# Altium PCB FINAL_PCB_VER0.PcbDoc (part 2 of 4)
Units mil, origin at the board's own origin, x right, y up, seen from the top; angles counter-clockwise.
Board outline 5316 x 3950 mil, 2 copper layers (Top Layer, Bottom Layer); 360 components, 279 nets, 1195 pads, 726 vias.
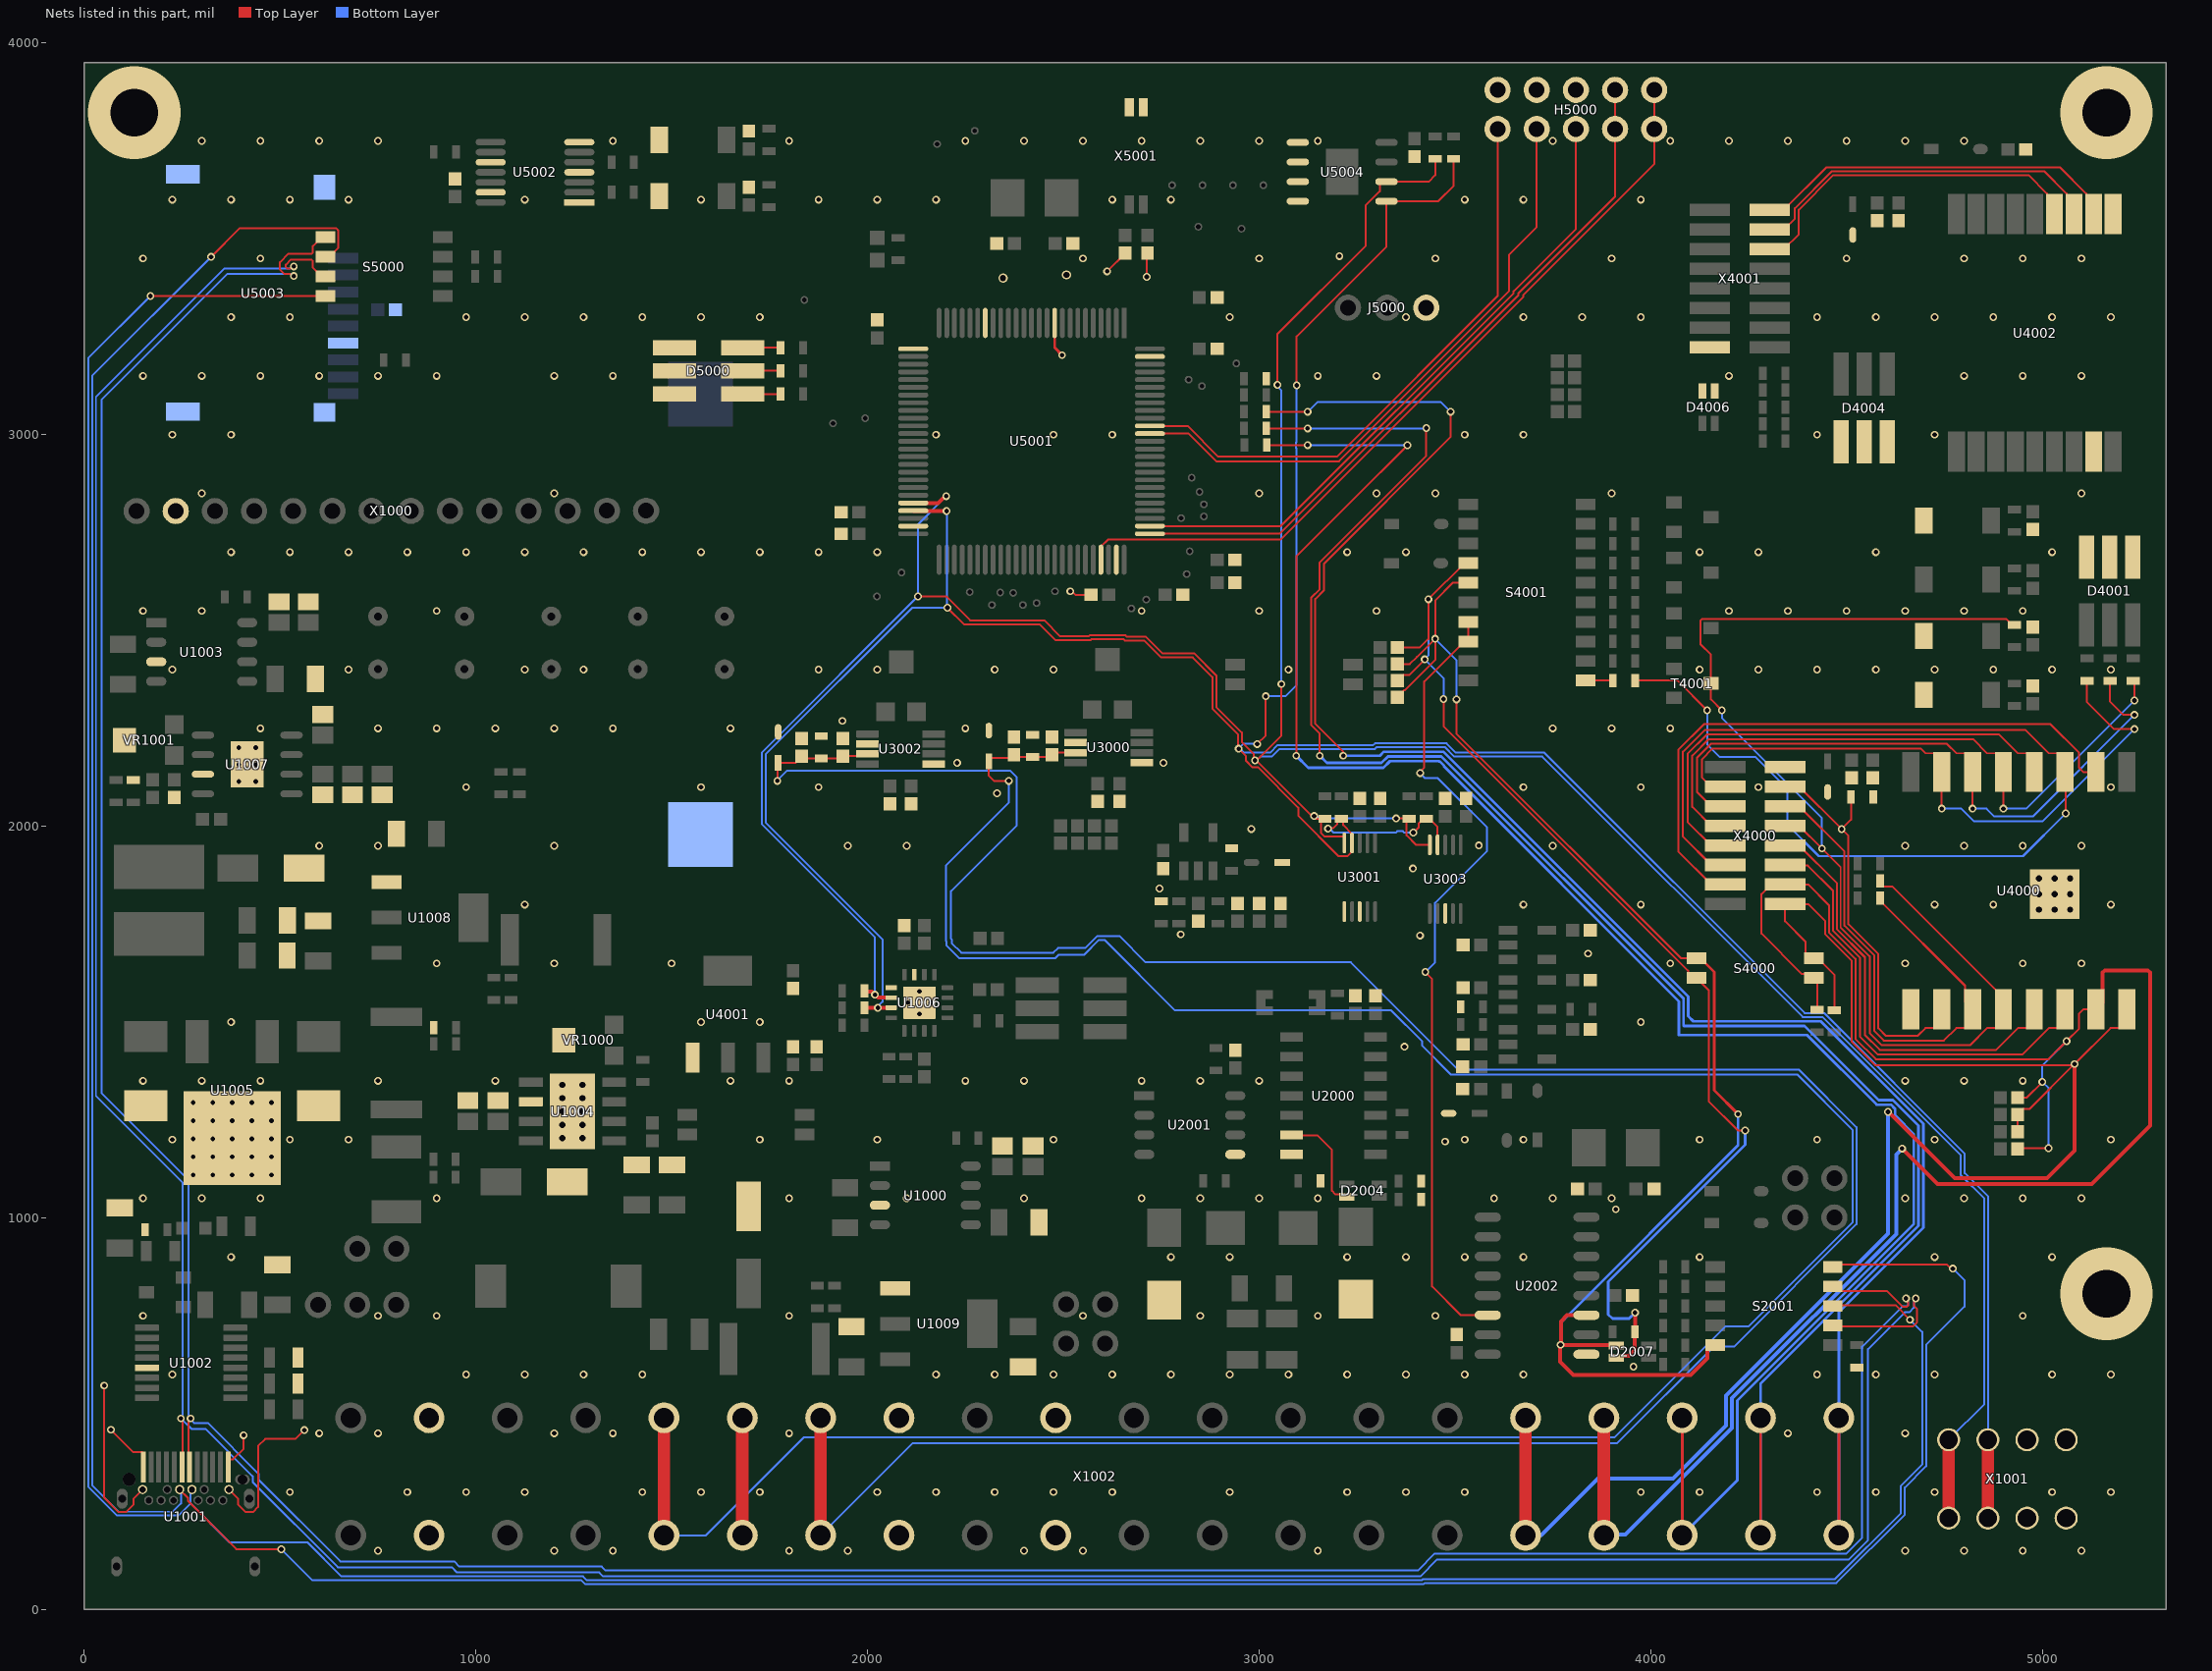
[diagram p2: the nets of this part, all layers, seen from the top]

## Footprints (in the part's own frame and the unit in brackets; to place one, negate y for a bottom-side part, rotate by r counter-clockwise, add the part's x,y. Pads: shape width x height; smd on the part's side, far side on the other; paste and mask are expansions set on the pad) (continued)
SOT23-5 [mm]
  rect 1.21x0.59 smd: 1(-1.255,0.95) 2(-1.255,0) 3(-1.255,-0.95) 4(1.255,-0.95) 5(1.255,0.95)
  silkscreen extent -1.97,-1.45 0.8,1.77, body extent -1.4,-1.45 1.4,1.45, height 1.45
SOT-223 [mm] "SOT223, 4-Leads, Body 6.50x7.00mm (avg), Pitch 2.30mm, IPC High Density"
  rect 0.9x1.95 smd: 1(-2.3,-2.825) 2(0,-2.825) 3(2.3,-2.825)
  rect 3.15x1.95 smd: 2(0,2.825)
  silkscreen extent -3.35,-3.68 3.35,1.55, body extent -3.35,-3.5 3.35,3.5, height 1.8
"TACTILE 3X4MM" [mm]
  rect 1.15x1.7 smd: 1(-2.175,0) 2(2.175,0)
  silkscreen extent -2.03,-1.52 2.03,1.52, body extent -2.54,-1.52 2.54,1.52, height 2
"TERMINAL BLOCK 4 2.54MM" [mm]
  round 1.5 hole 1.2: 1(-3.81,-2.54) 1(-3.81,2.54) 2(-1.27,-2.54) 2(-1.27,2.54) 3(1.27,-2.54) 3(1.27,2.54) 4(3.81,-2.54) 4(3.81,2.54)
  silkscreen extent -5.03,-8.41 7.67,5.38, body extent -5.03,-8.41 7.67,5.39, height 12.5
"TERMINAL BLOCK 20 5.08MM" [mm]
  round 2 hole 1.3: 1(-48.26,-5.08) 1(-48.26,2.54) 2(-43.18,-5.08) 2(-43.18,2.54) 3(-38.1,-5.08) 3(-38.1,2.54) 4(-33.02,-5.08) 4(-33.02,2.54) 5(-27.94,-5.08) 5(-27.94,2.54) 6(-22.86,-5.08) 6(-22.86,2.54) 7(-17.78,-5.08) 7(-17.78,2.54) 8(-12.7,-5.08) 8(-12.7,2.54) 9(-7.62,-5.08) 9(-7.62,2.54) 10(-2.54,-5.08) 10(-2.54,2.54) 11(2.54,-5.08) 11(2.54,2.54) 12(7.62,-5.08) 12(7.62,2.54) 13(12.7,-5.08) 13(12.7,2.54) 14(17.78,-5.08) 14(17.78,2.54) 15(22.86,-5.08) 15(22.86,2.54) 16(27.94,-5.08) 16(27.94,2.54) 17(33.02,-5.08) 17(33.02,2.54) 18(38.1,-5.08) 18(38.1,2.54) 19(43.18,-5.08) 19(43.18,2.54) 20(48.26,-5.08) 20(48.26,2.54)
  silkscreen extent -50.62,-9.83 53.42,4.29, body extent -50.65,-9.77 53.39,4.33, height 13.4
"TEST POINT" [mil]
  round 50 hole 20 mask+1.97: 1(0,0)
  silkscreen extent -35,-35 35,35
TSSOP-14 [mm]
  rect 1.955x0.421 smd paste+0 mask+0.05: 1(-2.875,1.95)
  rrect100% 1.955x0.421 smd paste+0 mask+0.05: 2(-2.875,1.3) 3(-2.875,0.65) 4(-2.875,0) 5(-2.875,-0.65) 6(-2.875,-1.3) 7(-2.875,-1.95) 8(2.875,-1.95) 9(2.875,-1.3) 10(2.875,-0.65) 11(2.875,0) 12(2.875,0.65) 13(2.875,1.3) 14(2.875,1.95)
  silkscreen extent -3,-2.5 1.4,2.66, body extent -3.17,-2.5 3.23,2.5, height 1.2
TSSOP-16 [mm]
  rrect25% 1.57x0.41 smd: 1(-2.87,2.275) 2(-2.87,1.625) 3(-2.87,0.975) 4(-2.87,0.325) 5(-2.87,-0.325) 6(-2.87,-0.975) 7(-2.87,-1.625) 8(-2.87,-2.275) 9(2.87,-2.275) 10(2.87,-1.625) 11(2.87,-0.975) 12(2.87,-0.325) 13(2.87,0.325) 14(2.87,0.975) 15(2.87,1.625) 16(2.87,2.275)
  silkscreen extent -4.29,-2.5 1.76,2.5, body extent -3.2,-2.5 3.2,2.5, height 1.17
"USB TYPE C FEMALE" [mm]
  rect 0.32x2 smd mask+0.05: A1(-2.75,6.45) A2(-2.25,6.45) A3(-1.75,6.45) A4(-1.25,6.45) A5(-0.75,6.45) A6(-0.25,6.45) A7(0.25,6.45) A8(0.75,6.45) A9(1.25,6.45) A10(1.75,6.45) A11(2.25,6.45) A12(2.75,6.45)
  round 0.6 hole 0.4 mask+0.05: B1(2.8,4.99) B2(2.4,4.29) B3(1.6,4.29) B4(1.2,4.99) B5(0.8,4.29) B6(0.4,4.99) B7(-0.4,4.99) B8(-0.8,4.29) B9(-1.2,4.99) B10(-1.6,4.29) B11(-2.4,4.29) B12(-2.8,4.99)
  oval 0.7x1.3 hole 0.5 slot 1.1 at 90 deg: SH1(4.125,4.39) SH2(-4.125,4.39) SH3(-4.485,0) SH4(4.485,0)
  round 0.85 hole 0.85 unplated: ""(-3.675,5.64)
  oval 0.95x0.65 hole 0.65 slot 0.95 at 0 deg unplated: ""(3.675,5.64)
  Multi-Layer pour cut-out: -5.08,7.798 5.08,7.798 5.08,-2.794 -5.08,-2.794
  silkscreen extent -4.5,-2.49 4.5,7.67, body extent -4.48,-2.45 4.48,6.9, height 3.13
"VARIABLE RESISTOR" [mm]
  rect 1.2x1.2 smd mask+0.05: 1(-1,-1.6) 3(1,-1.6)
  rect 1.6x1.5 smd mask+0.05: 2(0,1.65)
  silkscreen extent -1.68,-2.29 1.68,2.48, body extent -1.55,-1.79 1.55,2.01, height 1.62
VIA [mm]
  round 0.5 hole 0.3: 1(0,0)
VQFN-16 [mm] "QFN, 16-Leads, Body 4x4mm, Pitch 0.65mm, Thermal Pad 2.16x2.16mm, TI Recommended"
  rrect33% 0.75x0.3 smd: 1(-1.825,0.975) 2(-1.825,0.325) 3(-1.825,-0.325) 4(-1.825,-0.975) 9(1.825,-0.975) 10(1.825,-0.325) 11(1.825,0.325) 12(1.825,0.975)
  rrect33% 0.3x0.75 smd: 5(-0.975,-1.825) 6(-0.325,-1.825) 7(0.325,-1.825) 8(0.975,-1.825) 13(0.975,1.825) 14(0.325,1.825) 15(-0.325,1.825) 16(-0.975,1.825)
  rrect11% 0.939x0.939 on Top Paste: 17(-0.569,0.57) 17(-0.569,-0.569) 17(0.57,0.57) 17(0.57,-0.569)
  rrect5% 2.1x2.1 smd paste-1.08: 17(0,0)
  silkscreen extent -2.23,-2.23 2.23,2.23, body extent -2.07,-2.07 2.07,2.07, height 1.01
VSSOP-8 [mm]
  rrect25% 1.47x0.48 smd mask+0.05: 1(-2.15,0.975)
  rect 1.47x0.48 smd mask+0.05: 2(-2.15,0.325) 3(-2.15,-0.325) 4(-2.15,-0.975) 5(2.15,-0.975) 6(2.15,-0.325) 7(2.15,0.325) 8(2.15,0.975)
  silkscreen extent -2.79,-1.54 1.5,1.54, body extent -2.45,-1.5 2.45,1.5, height 1.1
VSSOP-10 [mm] "TSSOP, 10-Leads, Body 3.00x3.00mm, Pitch 0.50mm, IPC High Density"
  oval 1.35x0.25 smd: 1(-2.225,1) 2(-2.225,0.5) 3(-2.225,0) 4(-2.225,-0.5) 5(-2.225,-1) 6(2.225,-1) 7(2.225,-0.5) 8(2.225,0) 9(2.225,0.5) 10(2.225,1)
  silkscreen extent -2.77,-1.55 1.15,1.55, body extent -2.56,-1.55 2.56,1.55, height 1.1

## Part data
B4000 B4001 B4002 B4003 B5001 B5002: library part FF-3007, "Nút Nhấn 3x4mm Cao 2.5mm 2 Chân SMD", Power Rate=N/A, Design Item ID=FF-3007, Size=3X4MM, Supplier=THEGIOIIC, Supplier Link=https://www.thegioiic.com/nut-nhan-3x4mm-cao-2-5mm-2-chan-smd, Supplier Part Number="Nút Nhấn 3x4mm Cao 2.5mm 2 Chân SMD", TH/SMD=SMD, Tolerance=N/A, Type=BUTTON, Voltage=N/A
B5000: library part FF-4021, "FERRITE BEAD 600 OHM 0603 1LN", Power Rate=N/A, Design Item ID=FF-4021, Size=0603, Supplier=THEGIOIIC, Supplier Link=https://www.thegioiic.com/ferrite-bead-600-ohm-0603-1ln, Supplier Part Number="FERRITE BEAD 600 OHM 0603 1LN", TH/SMD=SMD, Tolerance=N/A, Type="FERRITE BEAD", Voltage=N/A
C1000 C1001 C1006 C1007 C1012 C1013 C1026 C1027: library part FF-1010, "CAP CER SMD 4.7uF 10% 50V 0805", Power Rate=N/A, Supplier Part Number="10%, 0805 (2012 Metric)", Tolerance=10%, Voltage=50V, Design Item ID=FF-1010, Size=0805, Supplier=THEGIOIIC, Supplier Link=https://www.thegioiic.com/tu-gom-0805-4-7uf-50v, TH/SMD=SMD, Type="CAP CER"
C1002 C1003 C1008 C1009 C1014 C1015 C1023 C1024: library part FF-1024, "CAP CER SMD 47uF 10% 25V 1206", Power Rate=N/A, Supplier Part Number="10%, 1206 (3216 Metric)", Tolerance=10%, Voltage=25V, Design Item ID=FF-1024, Size=1206, Supplier=THEGIOIIC, Supplier Link=https://www.thegioiic.com/tu-gom-1206-47uf-16v, TH/SMD=SMD, Type="CAP CER"
C1004 C1032 C1034: library part FF-1019, "CAP CER SMD 10uF 10% 50V 1206", Power Rate=N/A, Supplier Part Number="10%, 1206 (3216 Metric)", Tolerance=10%, Voltage=50V, Design Item ID=FF-1019, Size=1206, Supplier=THEGIOIIC, Supplier Link=https://www.thegioiic.com/tu-gom-1206-10uf-50v, TH/SMD=SMD, Type="CAP CER"
C1005: library part FF-1018, "CAP CER SMD 1uF 10% 50V 1206", Power Rate=N/A, Supplier Part Number="10%, 1206 (3216 Metric)", Tolerance=10%, Voltage=50V, Design Item ID=FF-1018, Size=1206, Supplier=THEGIOIIC, Supplier Link=https://www.thegioiic.com/tu-gom-1206-1uf-50v, TH/SMD=SMD, Type="CAP CER"
C1010: library part FF-1033, "CAP CER SMD 10nF 10% 50V 0603", Power Rate=N/A, Supplier Part Number="10%, 0603 (1608 Metric)", Tolerance=10%, Voltage=50V, Design Item ID=FF-1033, Size=0603, Supplier=THEGIOIIC, Supplier Link=https://www.thegioiic.com/tu-gom-0603-10nf-50v, TH/SMD=SMD, Type="CAP CER"
C1011 C1017: library part FF-1022, "CAP TAN SMD 10uF 10% 16V 2312", Power Rate=N/A, Supplier Part Number="106 10%, 2312 (6032 Metric)", Tolerance=10%, Voltage=16V, Design Item ID=FF-1022, Size=2312, Supplier=THEGIOIIC, Supplier Link=https://www.thegioiic.com/tu-tantalum-10uf-16v-2312-tajc106k016rnj, TH/SMD=SMD, Type="CAP TAN"
C1016: library part FF-1002, "CAP ALUM SMD 220uF 20% 16V 6377", Power Rate=N/A, Supplier Part Number="Tụ hóa 220uF 16V, 20%", Tolerance=20%, Voltage=16V, Design Item ID=FF-1002, Size=6377, Supplier=THEGIOIIC, Supplier Link=https://www.thegioiic.com/tu-nhom-smd-220uf-16v-6-3x7-7mm, TH/SMD=SMD, Type="CAP ALUM"
C1018 C1019 C1020 C1021 C1022 C2000 C2001 C2003 C2004 C3002 C3003 C3004 C3005 C3008 C3009 C3010 C3011 C3014 C3015 C3016 C3019 C3020 C3021 C3022 C3023 C3024 C4000 C4001 C4003 C4004 C4006 C4008 C4009 C4011 C5000 C5001 C5002 C5003 C5004 C5005 C5006 C5013 C5014 C5015 C5016 C5017: library part FF-1008, "CAP CER SMD 100nF 10% 50V 0603", Power Rate=N/A, Supplier Part Number="10%, 0603 (1608 Metric)", Tolerance=10%, Voltage=50V, Design Item ID=FF-1008, Size=0603, Supplier=THEGIOIIC, Supplier Link=https://www.thegioiic.com/tu-gom-0603-100nf-0-1uf-50v, TH/SMD=SMD, Type="CAP CER"
C1025 C1030: library part FF-1023, "CAP CER SMD 10nF 10% 50V 0805", Power Rate=N/A, Supplier Part Number="10%, 0805 (2012 Metric)", Tolerance=10%, Voltage=50V, Design Item ID=FF-1023, Size=0805, Supplier=THEGIOIIC, Supplier Link=https://www.thegioiic.com/tu-gom-0805-10nf-50v, TH/SMD=SMD, Type="CAP CER"
C1028: library part FF-1028, "CAP CER SMD 47pF 10% 50V 0603", Power Rate=N/A, Supplier Part Number="10%, 0603 (1608 Metric)", Tolerance=10%, Voltage=50V, Design Item ID=FF-1028, Size=0603, Supplier=THEGIOIIC, Supplier Link=https://www.thegioiic.com/tu-gom-0603-47pf-50v, TH/SMD=SMD, Type="CAP CER"
C1029: library part FF-1015, "CAP CER SMD 1nF 10% 50V 0603", Power Rate=N/A, Supplier Part Number="10%, 0603 (1608 Metric)", Tolerance=10%, Voltage=50V, Design Item ID=FF-1015, Size=0603, Supplier=THEGIOIIC, Supplier Link=https://www.thegioiic.com/tu-gom-0603-1nf-50v, TH/SMD=SMD, Type="CAP CER"
C1031 C1033: library part FF-1029, "CAP CER SMD 100nF 10% 50V 1206", Power Rate=N/A, Supplier Part Number="10%, 1206 (3216 Metric)", Tolerance=10%, Voltage=50V, Design Item ID=FF-1029, Size=1206, Supplier=THEGIOIIC, Supplier Link=https://www.thegioiic.com/tu-gom-1206-100nf-0-1uf-50v, TH/SMD=SMD, Type="CAP CER"
C2002: library part FF-1007, "CAP CER SMD 33pF 10% 50V 0603", Power Rate=N/A, Supplier Part Number="10%, 0603 (1608 Metric)", Tolerance=10%, Voltage=50V, Design Item ID=FF-1007, Size=0603, Supplier=THEGIOIIC, Supplier Link=https://www.thegioiic.com/tu-gom-0603-33pf-50v, TH/SMD=SMD, Type="CAP CER"
C2005 C2006: library part FF-1032, "CAP CER SMD 22pF 10% 50V 0603", Power Rate=N/A, Supplier Part Number="10%, 0603 (1608 Metric)", Tolerance=10%, Voltage=50V, Design Item ID=FF-1032, Size=0603, Supplier=THEGIOIIC, Supplier Link=https://www.thegioiic.com/tu-gom-0603-22pf-50v, TH/SMD=SMD, Type="CAP CER"
C3000 C3001 C3006 C3007: library part FF-1003, "CAP CER SMD 0.47uF 10% 50V 0603", Power Rate=N/A, Supplier Part Number="10%, 0603 (1608 Metric)", Tolerance=10%, Voltage=50V, Design Item ID=FF-1003, Size=0603, Supplier=THEGIOIIC, Supplier Link=https://www.thegioiic.com/tu-gom-0603-470nf-50v, TH/SMD=SMD, Type="CAP CER"
C3012 C3017: library part FF-1030, "CAP CER SMD 4.7nF 10% 50V 0603", Power Rate=N/A, Supplier Part Number="10%, 0603 (1608 Metric)", Tolerance=10%, Voltage=50V, Design Item ID=FF-1030, Size=0603, Supplier=THEGIOIIC, Supplier Link=https://www.thegioiic.com/tu-gom-0603-4-7nf-50v, TH/SMD=SMD, Type="CAP CER"
C3013 C3018: library part FF-1031, "CAP CER SMD 22nF 10% 50V 0603", Power Rate=N/A, Supplier Part Number="10%, 0603 (1608 Metric)", Tolerance=10%, Voltage=50V, Design Item ID=FF-1031, Size=0603, Supplier=THEGIOIIC, Supplier Link=https://www.thegioiic.com/tu-gom-0603-22nf-50v, TH/SMD=SMD, Type="CAP CER"
C4002 C4005 C4007 C4010: library part FF-1021, "CAP CER SMD 10uF 10% 25V 0603", Power Rate=N/A, Supplier Part Number="10%, 0603 (1608 Metric)", Tolerance=10%, Voltage=25V, Design Item ID=FF-1021, Size=0603, Supplier=THEGIOIIC, Supplier Link=https://www.thegioiic.com/tu-gom-0603-10uf-25v, TH/SMD=SMD, Type="CAP CER"
C5007 C5008: library part FF-1013, "CAP CER SMD 1.5pF 10% 50V 0603", Power Rate=N/A, Supplier Part Number="10%, 0603 (1608 Metric)", Tolerance=10%, Voltage=50V, Design Item ID=FF-1013, Size=0603, Supplier=THEGIOIIC, Supplier Link=https://www.thegioiic.com/tu-gom-0603-1-5pf-50v, TH/SMD=SMD, Type="CAP CER"
C5009 C5010: library part FF-1004, "CAP CER SMD 2.2uF 10% 50V 0603", Power Rate=N/A, Supplier Part Number="10%, 0603 (1608 Metric)", Tolerance=10%, Voltage=50V, Design Item ID=FF-1004, Size=0603, Supplier=THEGIOIIC, Supplier Link=https://www.thegioiic.com/tu-gom-0603-2-2uf-50v, TH/SMD=SMD, Type="CAP CER"
C5011 C5012: library part FF-1014, "CAP CER SMD 3.9pF 10% 50V 0603", Power Rate=N/A, Tolerance=10%, Voltage=50V, Design Item ID=FF-1014, Size=0603, Supplier=N/A, Supplier Link=N/A, Supplier Part Number=N/A, TH/SMD=SMD, Type="CAP CER"
D1000: library part FF-4011, "LED RED 0603", Power Rate=N/A, Supplier Part Number="LED Đỏ 0603 Dán SMD Trong Suốt", Design Item ID=FF-4011, Size=0603, Supplier=THEGIOIIC, Supplier Link=https://www.thegioiic.com/led-do-0603-dan-smd-trong-suot, TH/SMD=SMD, Tolerance=N/A, Type=LED, Voltage=N/A
D1001 D1002: library part FF-4005, "Size A, DIODE SCHOTTKY 1A 40V SMA", Power Rate=N/A, Supplier Part Number=SS14, Design Item ID=FF-4005, Size=DO-214AC, Supplier=THEGIOIIC, Supplier Link=https://www.thegioiic.com/ss14-sma-diode-schottky-1a-1n5819, TH/SMD=SMD, Tolerance=N/A, Type="DIODE SCHOTTKY", Voltage=N/A
D1003 D4001 D4004 D5000: library part FF-4018, "LED RGB 5050 Dán SMD Trong Suốt", Power Rate=N/A, Design Item ID=FF-4018, Size=5050, Supplier=THEGIOIIC, Supplier Link=https://www.thegioiic.com/led-rgb-5050-dan-smd-trong-suot, Supplier Part Number="LED RGB 5050 Dán SMD Trong Suốt", TH/SMD=SMD, Tolerance=N/A, Type="LED RGB", Voltage=N/A
D2000 D2001 D2002: library part FF-4014, "TVS DIODE 36V 58.1V DO214AA", Power Rate=N/A, Voltage="36V 58.1V", Design Item ID=FF-4014, Size=DO214AA, Supplier=THEGIOIIC, Supplier Link=https://www.thegioiic.com/smbj36ca, Supplier Part Number=SMBJ36CA, TH/SMD=SMD, Tolerance=N/A, Type="TVS DIODE"
D2003: library part FF-4013, "0.2A, 100V, SOD80", Power Rate=N/A, Voltage=100V, Design Item ID=FF-4013, Size=SOD-80, Supplier=THEGIOIIC, Supplier Link=https://www.thegioiic.com/ll4148-diode-chinh-luu-0-2a-100v, Supplier Part Number=LL4148, TH/SMD=SMD, Tolerance=N/A, Type=DIODE
D2004 D2007 D4006: library part FF-4019, "LED 2 Màu Đỏ, Xanh Dương 0805 Dán SMD Trong Suốt", Power Rate=N/A, Design Item ID=FF-4019, Size=0805, Supplier=THEGIOIIC, Supplier Link=https://www.thegioiic.com/led-2-mau-do-xanh-duong-0805-dan-smd-trong-suot, Supplier Part Number="LED 2 Màu Đỏ, Xanh Dương 0805 Dán SMD Trong Suốt", TH/SMD=SMD, Tolerance=N/A, Type="LED R/B", Voltage=N/A
D2005 D2006 D3002 D3003 D4000 D4003 D4005: library part FF-4016, "Diode Standard 75V 150mA", Power Rate=N/A, Voltage=75V, Design Item ID=FF-4016, Size=SOD-123, Supplier=THEGIOIIC, Supplier Link=https://www.thegioiic.com/1n4148w-e3-18-diode-gen-purp-75v-150ma-sod123, Supplier Part Number=1N4148W-E3-18, TH/SMD=SMD, Tolerance=N/A, Type=DIODE
D3000 D3001 D4002 D4007 TVS3000 TVS3001: library part FF-4015, "Package SOD323, Diode TVS, 50pF, 29.5V", Power Rate=N/A, Voltage=29.5V, Design Item ID=FF-4015, Size=SOD-323, Supplier=THEGIOIIC, Supplier Link=https://www.thegioiic.com/psd12c, Supplier Part Number=PSD12C, TH/SMD=SMD, Tolerance=N/A, Type="TVS DIODE"
F1000: library part FF-4009, "Size: 4.55x3.24 mm, -40°C ~ 85°C", Power Rate=N/A, Supplier Part Number=MF-MSMF250/16, Voltage=16V, Design Item ID=FF-4009, Size=1812, Supplier Link=https://www.thegioiic.com/mf-msmf250-16-cau-chi-tu-phuc-hoi-1812-16v-2-5a, TH/SMD=SMD, Tolerance=N/A, Type=FUSE
F1001 F2000 F2001: library part FF-4008, "Size: 3.2x1.6 mm, -40°C ~ 85°C", Power Rate=N/A, Supplier Part Number=MF-NSMF200-2, Voltage=6V, Design Item ID=FF-4008, Size=1206, Supplier=THEGIOIIC, Supplier Link=https://www.thegioiic.com/mf-nsmf200-2-cau-chi-tu-phuc-hoi-1206-6v-2a, TH/SMD=SMD, Tolerance=N/A, Type=FUSE
H1000: library part FF-4010, Power Rate=N/A, Design Item ID=FF-4010, Size=N/A, Supplier=N/A, Supplier Link=N/A, Supplier Part Number=N/A, TH/SMD=TH, Tolerance=N/A, Type=JUMPER, Voltage=N/A
H5000: library part FF-3020, Power Rate=N/A, Design Item ID=FF-3020, Size="5X2 X 2.54mm", Supplier=N/A, Supplier Link=N/A, Supplier Part Number=N/A, TH/SMD=TH, Tolerance=N/A, Type=JUMPER, Voltage=N/A
J1000: library part FF-3015, Power Rate=N/A, Design Item ID=FF-3015, Size="2 X 2.54mm", Supplier=N/A, Supplier Link=N/A, Supplier Part Number=N/A, TH/SMD=TH, Tolerance=N/A, Type=JUMPER, Voltage=N/A
J2000 J2001: library part FF-3019, "JUMPER 2X2", Power Rate=N/A, Design Item ID=FF-3019, Size="2X2 X 2.54mm", Supplier=N/A, Supplier Link=N/A, Supplier Part Number=N/A, TH/SMD=TH, Tolerance=N/A, Type=JUMPER, Voltage=N/A
J5000: library part FF-3014, Power Rate=N/A, Design Item ID=FF-3014, Size="2 X 2.54mm", Supplier=N/A, Supplier Link=N/A, Supplier Part Number=N/A, TH/SMD=TH, Tolerance=N/A, Type=JUMPER, Voltage=N/A
L1000: library part FF-4017, "Cuộn Cảm Dán SMD 8D43-220 22uH 3.25A", Power Rate=N/A, Design Item ID=FF-4017, Size=8347, Supplier=THEGIOIIC, Supplier Link=https://www.thegioiic.com/cuon-cam-dan-smd-8d43-220-22uh-3-25a, Supplier Part Number="8D43-220 22uH 3.25A", TH/SMD=SMD, Tolerance=N/A, Type=INDUCTOR, Voltage=N/A
L1001: library part FF-4006, "20%, size 5.7x5.7x3.2 mm 6.8uH - 1.7A", Power Rate=N/A, Tolerance=20%, Design Item ID=FF-4006, Size=5.7x5.7x3.2, Supplier=THEGIOIIC, Supplier Link=https://www.thegioiic.com/cuon-cam-dan-smd-5d28-5832-150-15uh-1-1a, Supplier Part Number="5D28 5832-6R8 6.8uH 1.7A", TH/SMD=SMD, Type=INDUCTOR, Voltage=N/A
PA1 PA4 PA8 PB1 PB2 PB8 PB9 PB12 PB13 PC0 PC8 PC9 PC10 PC11 PC12 PC13 PD0 PD1 PD2 PD3 PD10 PD11 PD12 PD13 PD14 PD15 PE1 PE2 PE3 PE4 PE5 PE6: library part FF-3022, Power Rate=N/A, Design Item ID=FF-3022, Size=VIA, Supplier=N/A, Supplier Link=N/A, Supplier Part Number=N/A, TH/SMD=TH, Tolerance=N/A, Type=CONNECTOR, Voltage=N/A
R1000 R1007: library part FF-0004, "RESISTOR SMD 0R OHM 1% 125mW 0805", Power Rate=125mW, Supplier Part Number="0R0, 1/8W", Tolerance=1%, Voltage=N/A, Design Item ID=FF-0004, Size=0805, Supplier=THEGIOIIC, Supplier Link=https://www.thegioiic.com/dien-tro-0-ohm-0805-1-, TH/SMD=SMD, Type=RESISTOR
R1001 R1006 R4016 R5000 R5003 R5004: library part FF-0003, "RESISTOR SMD 0R OHM 1% 100mW 0603", Power Rate=100mW, Supplier Part Number="0R0, 1/10W", Tolerance=1%, Voltage=N/A, Design Item ID=FF-0003, Size=0603, Supplier=THEGIOIIC, Supplier Link=https://www.thegioiic.com/dien-tro-0-ohm-0603-1-, TH/SMD=SMD, Type=RESISTOR
R1002: library part FF-0032, "RESISTOR SMD 100R OHM 1% 250mW 1206", Power Rate=250mW, Supplier Part Number="1000, 1/4W", Tolerance=1%, Voltage=N/A, Design Item ID=FF-0032, Size=1206, Supplier=THEGIOIIC, Supplier Link=https://www.thegioiic.com/dien-tro-100-ohm-1206-1-, TH/SMD=SMD, Type=RESISTOR
R1003: library part FF-0030, "RESISTOR SMD 100KR OHM 1% 125mW 0805", Power Rate=125mW, Supplier Part Number="104, 1/8W", Tolerance=1%, Voltage=N/A, Design Item ID=FF-0030, Size=0805, Supplier=THEGIOIIC, Supplier Link=https://www.thegioiic.com/dien-tro-100-kohm-0805-1-, TH/SMD=SMD, Type=RESISTOR
R1004 R1005: library part FF-0019, "RESISTOR SMD 5.1KR OHM 1% 125mW 0805", Power Rate=125mW, Supplier Part Number="512, 1/8W", Tolerance=1%, Voltage=N/A, Design Item ID=FF-0019, Size=0805, Supplier=THEGIOIIC, Supplier Link=https://www.thegioiic.com/dien-tro-5-1-kohm-0805-1-, TH/SMD=SMD, Type=RESISTOR
R1008 R1018 R1019 R1020 R5005 R5006 R5007: library part FF-0001, "RESISTOR SMD 680R OHM 5% 100mW 0603", Power Rate=100mW, Supplier Part Number="681, 1/10W", Tolerance=5%, Voltage=N/A, Design Item ID=FF-0001, Size=0603, Supplier=THEGIOIIC, Supplier Link=https://www.thegioiic.com/dien-tro-680-ohm-0603-5-, TH/SMD=SMD, Type=RESISTOR
R1009 R1024: library part FF-0045, "RESISTOR SMD 10.2KR OHM 1% 100mW 0603", Power Rate=100mW, Supplier Part Number="Code 1022, 1/10W", Tolerance=1%, Voltage=N/A, Design Item ID=FF-0045, Size=0603, Supplier=THEGIOIIC, Supplier Link=https://www.thegioiic.com/dien-tro-10-2-kohm-0603-1-, TH/SMD=SMD, Type=RESISTOR
R1010 R1012 R1014 R1016 R1021 R1025: library part FF-0007, "RESISTOR SMD 2.2R OHM 5% 100mW 0603", Power Rate=100mW, Supplier Part Number="2R2, 1/10W", Tolerance=5%, Voltage=N/A, Design Item ID=FF-0007, Size=0603, Supplier=THEGIOIIC, Supplier Link=https://www.thegioiic.com/dien-tro-2-2-ohm-0603-5-, TH/SMD=SMD, Type=RESISTOR
R1011 R1015 R1023: library part FF-0015, "RESISTOR SMD 0.1R OHM 1% 3W 2512", Power Rate=3W, Supplier Part Number=N/A, Tolerance=1%, Design Item ID=FF-0015, Size=2512, Supplier=N/A, Supplier Link=https://shopee.vn/Set-10-%C4%91i%E1%BB%87n-tr%E1%BB%9F-2512-SMD-3W-1-0.001R-0.01R-0.012R-0.03R-0.05R-0.06R-0.1R-0.2R-0.22R-0.3R-0.33R-0.5R-Ohm-i.81431289.21754478570?sp_atk=b639e265-1957-4573-9bf4-bd9b7052cf00&xptdk=b639e265-1957-4573-9bf4-bd9b7052cf00, TH/SMD=SMD, Type=RESISTOR, Voltage=N/A
R1013 R1022 R1027 R1028 R2011 R3000 R3001 R3004 R3005 R4001 R4002 R4003 R4008 R4012 R4013 R4014 R4015: library part FF-0020, "RESISTOR SMD 10KR OHM 1% 100mW 0603", Power Rate=100mW, Supplier Part Number="103, 1/10W", Tolerance=1%, Voltage=N/A, Design Item ID=FF-0020, Size=0603, Supplier=THEGIOIIC, Supplier Link=https://www.thegioiic.com/dien-tro-10-kohm-0603-1-, TH/SMD=SMD, Type=RESISTOR
R1017: library part FF-0026, "RESISTOR SMD 47KR OHM 1% 100mW 0603", Power Rate=100mW, Supplier Part Number="473, 1/10W", Tolerance=1%, Voltage=N/A, Design Item ID=FF-0026, Size=0603, Supplier=THEGIOIIC, Supplier Link=https://www.thegioiic.com/dien-tro-47-kohm-0603-1-, TH/SMD=SMD, Type=RESISTOR
R1026: library part FF-0044, "RESISTOR SMD 29.4KR OHM 1% 100mW 0603", Power Rate=100mW, Supplier Part Number=N/A, Tolerance=1%, Design Item ID=FF-0044, Size=0603, Supplier=N/A, Supplier Link=https://shopee.vn/100-Chip-%C4%91i%E1%BB%87n-tr%E1%BB%9F-0402-0603-0805-1206-SMD-24.9K-25.5K-26.1K-26.7K-27K-27.4K-28K-28.7K-29.4K-30K-30.1K-30.9K-Ohm-1--i.384840934.3027056898, TH/SMD=SMD, Type=RESISTOR, Voltage=N/A
R2000 R2001 R2002 R2005 R4000 R4004 R4005 R4019 R4020 R4021 R5009 R5016 R5030 R5031 R5032: library part FF-0016, "RESISTOR SMD 4.7KR OHM 1% 100mW 0603", Power Rate=100mW, Supplier Part Number="472, 1/10W", Tolerance=1%, Voltage=N/A, Design Item ID=FF-0016, Size=0603, Supplier=THEGIOIIC, Supplier Link=https://www.thegioiic.com/dien-tro-4-7-kohm-0603-1-, TH/SMD=SMD, Type=RESISTOR
R2003: library part FF-0033, "RESISTOR SMD 120R OHM 1% 250mW 1206", Power Rate=250mW, Supplier Part Number="121, 1/4W", Tolerance=1%, Voltage=N/A, Design Item ID=FF-0033, Size=1206, Supplier=THEGIOIIC, Supplier Link=https://www.thegioiic.com/dien-tro-120-ohm-1206-1-, TH/SMD=SMD, Type=RESISTOR
R2004: library part FF-0025, "RESISTOR SMD 22KR OHM 1% 100mW 0603", Power Rate=100mW, Supplier Part Number="223, 1/10W", Tolerance=1%, Voltage=N/A, Design Item ID=FF-0025, Size=0603, Supplier=THEGIOIIC, Supplier Link=https://www.thegioiic.com/dien-tro-22-kohm-0603-1-, TH/SMD=SMD, Type=RESISTOR
R2006 R2007: library part FF-0009, "RESISTOR SMD 2.2KR OHM 1% 100mW 0603", Power Rate=100mW, Supplier Part Number="222, 1/10W", Tolerance=1%, Voltage=N/A, Design Item ID=FF-0009, Size=0603, Supplier=THEGIOIIC, Supplier Link=https://www.thegioiic.com/dien-tro-2-2-kohm-0603-1-, TH/SMD=SMD, Type=RESISTOR
R2008 R2009 R2010: library part FF-0037, "RESISTOR SMD 1KR OHM 1% 100mW 0603", Power Rate=100mW, Supplier Part Number="Code 102, 1/10W", Tolerance=1%, Voltage=N/A, Design Item ID=FF-0037, Size=0603, Supplier=THEGIOIIC, Supplier Link=https://www.thegioiic.com/dien-tro-1-kohm-0603-1-, TH/SMD=SMD, Type=RESISTOR
R2012 R2013 R2014 R2015: library part FF-0028, "RESISTOR SMD 47R OHM 1% 100mW 0603", Power Rate=100mW, Supplier Part Number="47R (Code 470), 1/10W", Tolerance=1%, Voltage=N/A, Design Item ID=FF-0028, Size=0603, Supplier=THEGIOIIC, Supplier Link=https://www.thegioiic.com/dien-tro-47-ohm-0603-1-, TH/SMD=SMD, Type=RESISTOR
R3002 R3003: library part FF-0011, "RESISTOR SMD 1R OHM 1% 100mW 0603", Power Rate=100mW, Supplier Part Number="1R0, 1/10W", Tolerance=1%, Voltage=N/A, Design Item ID=FF-0011, Size=0603, Supplier=THEGIOIIC, Supplier Link=https://www.thegioiic.com/dien-tro-1-ohm-0603-1-, TH/SMD=SMD, Type=RESISTOR
R3006 R3009 R3010: library part FF-0029, "RESISTOR SMD 100KR OHM 1% 100mW 0603", Power Rate=100mW, Supplier Part Number="104, 1/10W", Tolerance=1%, Voltage=N/A, Design Item ID=FF-0029, Size=0603, Supplier=THEGIOIIC, Supplier Link=https://www.thegioiic.com/dien-tro-100-kohm-0603-1-, TH/SMD=SMD, Type=RESISTOR
R3007 R3008 R3011 R3012: library part FF-0036, "RESISTOR SMD 200KR OHM 1% 100mW 0603", Power Rate=100mW, Supplier Part Number="2003, 1/10W", Tolerance=1%, Voltage=N/A, Design Item ID=FF-0036, Size=0603, Supplier=THEGIOIIC, Supplier Link=https://www.thegioiic.com/dien-tro-200-kohm-0603-1-, TH/SMD=SMD, Type=RESISTOR
R4006 R4007 R4017 R4018: library part FF-0049, "RESISTOR SMD 22R OHM 1% 100mW 0603", Power Rate=100mW, Supplier Part Number="22R (Code 220), 1/10W", Tolerance=1%, Voltage=N/A, Design Item ID=FF-0049, Size=0603, Supplier=THEGIOIIC, Supplier Link=https://www.thegioiic.com/dien-tro-22-ohm-0603-1-, TH/SMD=SMD, Type=RESISTOR
R4009 R4010 R4011 R4022 R4023 R4024 R4025 R4026: library part FF-0050, "RESISTOR SMD 470R OHM 1% 100mW 0603", Power Rate=100mW, Supplier Part Number="Code 471, 1/10W", Tolerance=1%, Voltage=N/A, Design Item ID=FF-0050, Size=0603, Supplier=THEGIOIIC, Supplier Link=https://www.thegioiic.com/dien-tro-470-ohm-0603-1-, TH/SMD=SMD, Type=RESISTOR
R5001 R5002 R5008 R5014 R5015 R5017: library part FF-0022, "RESISTOR SMD 20R OHM 1% 100mW 0603", Power Rate=100mW, Supplier Part Number="20R (Code 200), 1/10W", Tolerance=1%, Voltage=N/A, Design Item ID=FF-0022, Size=0603, Supplier=THEGIOIIC, Supplier Link=https://www.thegioiic.com/dien-tro-20-ohm-0603-1-, TH/SMD=SMD, Type=RESISTOR
R5026 R5027 R5028 R5029: library part FF-0051, "RESISTOR SMD 3.3KR OHM 1% 100mW 0603", Power Rate=100mW, Supplier Part Number="Điện Trở 3.3 KOhm 0603 1%", Tolerance=1%, Voltage=N/A, Design Item ID=FF-0051, Size=0603, Supplier=THEGIOIIC, Supplier Link=https://www.thegioiic.com/dien-tro-3-3-kohm-0603-1-, TH/SMD=SMD, Type=RESISTOR
S1000 S4000 S5001: library part FF-3009, "DIP SWITCH 1.27mm 2 CONTACT", Power Rate=N/A, Supplier Part Number="Công Tắc DIP Switch Dán SMD 2 Bit 1.27mm", Design Item ID=FF-3009, Size="2 X 1.27mm", Supplier=THEGIOIIC, Supplier Link=https://www.thegioiic.com/cong-tac-dip-switch-dan-smd-2-bit-1-27mm, TH/SMD=SMD, Tolerance=N/A, Type=SWITCH, Voltage=N/A
S2001: library part FF-3012, "DIP SWITCH 1.27mm 5PIN", Power Rate=N/A, Supplier Part Number="Công Tắc DIP Switch Dán SMD 5 Bit 1.27mm", Design Item ID=FF-3012, Size="5 X 1.27mm", Supplier=THEGIOIIC, Supplier Link=https://www.thegioiic.com/cong-tac-dip-switch-dan-smd-5-bit-1-27mm, TH/SMD=SMD, Tolerance=N/A, Type=SWITCH, Voltage=N/A
S4001: library part FF-3013, "DIP SWITCH 1.27mm 10PIN", Power Rate=N/A, Supplier Part Number="Công Tắc DIP Switch Dán SMD 10 Bit 1.27mm", Design Item ID=FF-3013, Size="10 X 1.27mm", Supplier=THEGIOIIC, Supplier Link=https://www.thegioiic.com/cong-tac-dip-switch-dan-smd-10-bit-1-27mm, TH/SMD=SMD, Tolerance=N/A, Type=SWITCH, Voltage=N/A
S5000: library part FF-3011, "DIP SWITCH 1.27mm 4PIN", Power Rate=N/A, Supplier Part Number="Công Tắc DIP Switch Dán SMD 1 Bit 1.27mm", Design Item ID=FF-3011, Size="4 X 1.27mm", Supplier=THEGIOIIC, Supplier Link=https://www.thegioiic.com/cong-tac-dip-switch-dan-smd-4-bit-1-27mm, TH/SMD=SMD, Tolerance=N/A, Type=SWITCH, Voltage=N/A
SB1000 SB5000 SB5001 SB5002 SB5003 SB5004 SB5005 SB5006 SB5007 SB5008 SB5009 SB5010 SB5011 SB5012 SB5013 SB5014 SB5015: library part FF-0052, "RESISTOR SMD 0R OHM 1% 100mW 0603", Power Rate=100mW, Supplier Part Number=N/A, Tolerance=1%, Design Item ID=FF-0052, Size=0603, Supplier=THEGIOIIC, Supplier Link=N/A, TH/SMD=SMD, Type=RESISTOR, Voltage=N/A
T1000: library part FF-4001, "20V N-Channel Enhancement-Mode MOSFET", Power Rate=N/A, Voltage=20V, Design Item ID=FF-4001, Size=SOT23-3, Supplier=THEGIOIIC, Supplier Link=https://www.thegioiic.com/ln2302lt1g-mosfet-kenh-n, Supplier Part Number=LN2302LT1G, TH/SMD=SMD, Tolerance=N/A, Type=TRANSISTOR
T4000 T4001 T4002 T4003: library part FF-4024, "2SC1815-HF Transistor NPN 50V 0.15A", Power Rate=0.15A, Supplier Part Number="2SC1815-HF Transistor NPN 50V 0.15A 3 Chân SOT-23", Tolerance=N/A, Voltage=50V, Design Item ID=FF-4024, Size=SOT23-3, Supplier=THEGIOIIC, Supplier Link=https://www.thegioiic.com/2sc1815-hf-transistor-npn-50v-0-15a-3-chan-sot-23, TH/SMD=SMD, Type=Transistor
TP1000 TP1001 TP1002 TP1003 TP1004 TP1005 TP1006 TP1007 TP1008 TP1009: library part FF-3003, "TEST POINT", Design Item ID=FF-3003, Power Rate=N/A, Size=N/A, Supplier=N/A, Supplier Link=N/A, Supplier Part Number=N/A, TH/SMD=SMD, Tolerance=N/A, Type=TESTPOINT, Voltage=N/A
U1000 U1003: library part FF-2004, "CMOS Voltage Converter", Power Rate=N/A, Design Item ID=FF-2004, Size=SOP-8, Supplier=SELF, Supplier Link=https://shopee.vn/ICL7662CBA-ICL7662-7662-SOP8-m%E1%BB%9Bi-(con)-i.193855127.10606790306?sp_atk=25ed1cbb-cd35-43c0-af45-c904425b01eb&xptdk=25ed1cbb-cd35-43c0-af45-c904425b01eb, TH/SMD=SMD, Tolerance=N/A, Type=IC, Voltage=N/A
U1001: library part FF-3001, "TYPE C 3.1 24 PIN", Power Rate=N/A, Design Item ID=FF-3001, Size=N/A, Supplier=THEGIOIIC, Supplier Link=https://www.thegioiic.com/cong-usb-cai-3-1-type-c-24-chan-cong-90-do, Supplier Part Number=N/A, TH/SMD=TH/SMD, Tolerance=N/A, Type=CONNECTOR, Voltage=N/A
U1002: library part FF-2013, "TYPEC/PD2.0/PD3.0 Physical Layer IC for USB TYPEC input Interfaces", Power Rate=N/A, Design Item ID=FF-2013, Size=TSSOP-16, Supplier=SELF, TH/SMD=SMD, Tolerance=N/A, Type=IC, Voltage=N/A
U1004: library part FF-2012, "TPS543x 3-A, Wide Input Range, Step-Down Converter", Power Rate=N/A, Design Item ID=FF-2012, Size="SO PowerPAD", Supplier Link=https://shopee.vn/Combo-5-con-IC-ngu%E1%BB%93n-TPS5430-%C4%91%E1%BA%A7u-v%C3%A0o-5.5V-%C4%91%E1%BA%BFn-36V-3A-b%E1%BB%99-%C4%91i%E1%BB%81u-ch%E1%BB%89nh-gi%E1%BA%A3m-%C4%91i%E1%BB%87n-%C3%A1p-500kHz-i.682040620.19643083810?sp_atk=3768dd41-fafc-439a-93aa-7, TH/SMD=SMD, Tolerance=N/A, Type=IC, Voltage=N/A
U1005: library part FF-2014, "1.5 A adjustable and fixed low drop positive voltage regulator", Power Rate=N/A, Design Item ID=FF-2014, Size=DPAK, Supplier=THEGIOIIC, Supplier Link=https://www.thegioiic.com/ld1086dt12-ic-on-ap-12v-1-5a, Supplier Part Number=LD1086DT12, TH/SMD=SMD, Tolerance=N/A, Type=IC, Voltage=N/A
U1006: library part FF-2006, "INA3221 Triple-Channel, High-Side Measurement, Shunt and Bus Voltage Monitor with I2C- and SMBUS-Compatible Interface", Power Rate=N/A, Design Item ID=FF-2006, Size=VQFN-16, Supplier=SELF, TH/SMD=SMD, Tolerance=N/A, Type=IC, Voltage=N/A
U1007: library part FF-2015, "TPS54331 3-A, 28-V Input, Step Down DC-DC Converter With Eco-mode", Power Rate=N/A, Design Item ID=FF-2015, Size=SOIC-8, Supplier=THEGIOIIC, Supplier Link=https://www.thegioiic.com/tps54331dr-ic-dieu-chinh-giam-ap-3a-8-soic, Supplier Part Number=TPS54331DR, TH/SMD=SMD, Tolerance=N/A, Type=IC, Voltage=N/A
U1008 U4001: library part FF-2016, "3V3 fixed low drop positive voltage regulator", Power Rate=N/A, Design Item ID=FF-2016, Size=SOT-223, Supplier=THEGIOIIC, Supplier Link=https://www.thegioiic.com/ld1117s33ctr-ic-on-ap-3-3v-800ma-sot-223, Supplier Part Number=LD1117S33CTR, TH/SMD=SMD, Tolerance=N/A, Type=IC, Voltage=N/A
U1009: library part FF-2017, "5V fixed low drop positive voltage regulator", Power Rate=N/A, Design Item ID=FF-2017, Size=SOT-223, Supplier=THEGIOIIC, Supplier Link=https://www.thegioiic.com/ams1117-5-0v-ic-on-ap-5v-1a-sot-223, Supplier Part Number=AMS1117-5.0V, TH/SMD=SMD, Tolerance=N/A, Type=IC, Voltage=N/A
U2000: library part FF-2001, "Inverters HEX INV SCHMITT TRIG", Power Rate=N/A, Supplier Part Number=74HC14D,652, Design Item ID=FF-2001, Size=SOIC-14, Supplier=THEGIOIIC, Supplier Link=https://www.thegioiic.com/74hc14d-652-hex-schmitt-trigger-inverter-14-soic, TH/SMD=SMD, Tolerance=N/A, Type=IC, Voltage=N/A
U2001: library part FF-2009, "3.3V, 10Mbps Half-Duplex RS-485/RS-422 Transceivers", Power Rate=N/A, Design Item ID=FF-2009, Size=SOP-8, Supplier=THEGIOIIC, TH/SMD=SMD, Tolerance=N/A, Type=IC, Voltage=N/A
U2002: library part FF-2021, "CH340G USB to UART Interface", Power Rate=N/A, Design Item ID=FF-2021, Size=SOP-16, Supplier=THEGIOIIC, Supplier Link=https://www.thegioiic.com/ch340g, Supplier Part Number=CH340G, TH/SMD=SMD, Tolerance=N/A, Type=IC, Voltage=N/A
U3000 U3002: library part FF-2005, "INA333 Micro-Power (50μA), Zerø-Drift, Rail-to-Rail Out Instrumentation Amplifier", Power Rate=N/A, Design Item ID=FF-2005, Size=VSSOP-8, Supplier=SELF, TH/SMD=SMD, Tolerance=N/A, Type=IC, Voltage=N/A
U3001 U3003: library part FF-2002, "ADS111x Ultra-Small, Low-Power, I2C-Compatible, 860-SPS, 16-Bit ADCs With Internal Reference, Oscillator, and Programmable Comparator", Power Rate=N/A, Design Item ID=FF-2002, Size=VSSOP-10, Supplier=SELF, TH/SMD=SMD, Tolerance=N/A, Type=IC, Voltage=N/A
U3004 U3005 U3006 U3007: library part FF-2010, "OPAx333 1.8-V, microPower, CMOS Operational Amplifiers, Zero-Drift Series", Power Rate=N/A, Design Item ID=FF-2010, Size=SOT23-5, Supplier=SELF, Supplier Link=https://shopee.vn/(10-C%C3%A1i)-Chip-100-Opa333Aidvr-OPA333-Oxq-sot23-5-M%E1%BB%9Bi-i.1003955517.21782141850?sp_atk=4701d033-6a8f-4bdf-a833-fbc55ec2f47d&xptdk=4701d033-6a8f-4bdf-a833-fbc55ec2f47d, TH/SMD=SMD, Tolerance=N/A, Type=IC, Voltage=N/A
U4000: library part FF-2018, "ESP-07S WiFi module", Power Rate=N/A, Supplier Part Number="ESP-07S AI-Thinker ESP8266 Mạch Thu Phát WiFi", Design Item ID=FF-2018, Size=ESP-07S, Supplier=THEGIOIIC, Supplier Link=https://www.thegioiic.com/esp-07s-ai-thinker-esp8266-mach-thu-phat-wifi, TH/SMD=SMD, Tolerance=N/A, Type=MODULE, Voltage=N/A
U4002: library part FF-2019, "803 - 930MHz LORAWAN MODULE", Power Rate=N/A, Design Item ID=FF-2019, Size=RA-08H, Supplier=N/A, Supplier Link=N/A, Supplier Part Number=N/A, TH/SMD=SMD, Tolerance=N/A, Type=MODULE, Voltage=N/A
U5000: library part FF-3017, "BS-6 Đế Pin CR2032 CR2025 Dán SMD", Power Rate=N/A, Design Item ID=FF-3017, Size=BS-6, Supplier=THEGIOIIC, Supplier Link=https://www.thegioiic.com/bs-6-de-pin-cr2032-cr2025-dan-smd, Supplier Part Number="BS-6 Đế Pin CR2032 CR2025 Dán SMD", TH/SMD=SMD/TH, Tolerance=N/A, Type=CONNECTOR, Voltage=N/A
U5001: library part FF-2011, "32-bit Arm® Cortex®-M7 480MHz MCUs, up to 2MB flash, up to 1MB RAM, 46 com. and analog interfaces", Power Rate=N/A, Design Item ID=FF-2011, Size=LQFP-100, Supplier=SELF, TH/SMD=SMD, Tolerance=N/A, Type=IC, Voltage=N/A
U5002: library part FF-2023, "Quad buffer/line driver with 5 V tolerant input/outputs; 3-state", Power Rate=N/A, Design Item ID=FF-2023, Size=TSSOP-14, Supplier=THEGIOIIC, Supplier Link=N/A, Supplier Part Number=74LVC125APW, TH/SMD=SMD, Tolerance=N/A, Type=IC, Voltage=N/A
U5003: library part FF-3016, "SDCARD SLOT 9 PIN PUSH PULL", Power Rate=N/A, Supplier Part Number="MiSD-PP-9P-V2 Khay Thẻ Nhớ MicroSD 9 Chân Push-Push", Design Item ID=FF-3016, Size=MiSD-PP-9P-V2, Supplier=THEGIOIIC, Supplier Link=https://www.thegioiic.com/misd-pp-9p-v2-khay-the-nho-microsd-9-chan-push-push, TH/SMD=SMD/TH, Tolerance=N/A, Type=CONNECTOR, Voltage=N/A
U5004: library part FF-2022, "512K I2C Serial EEPROM", Power Rate=N/A, Design Item ID=FF-2022, Size=SOIC-8, Supplier=THEGIOIIC, Supplier Link=https://www.thegioiic.com/24lc512t-i-sn-ic-eeprom-512kbit-8-soic, Supplier Part Number=24LC512, TH/SMD=SMD, Tolerance=N/A, Type=IC, Voltage=N/A
VR1000 VR1001: library part FF-0047, "VARIABLE RESISTOR SMD 10KR OHM 20% 150mW N/A", Power Rate=150mW, Supplier Part Number="10K Ohm, 20%", Tolerance=20%, Voltage=N/A, Design Item ID=FF-0047, Size=N/A, Supplier=N/A, Supplier Link=https://www.thegioiic.com/evm3e-103-bien-tro-10-kohm-nut-ao-smd-0-15w, TH/SMD=SMD, Type="VARIABLE RESISTOR"
VR3000 VR3001: library part FF-0048, "VARIABLE RESISTOR SMD 1KR OHM 20% 150mW N/A", Power Rate=150mW, Supplier Part Number="1K Ohm, 20%", Tolerance=20%, Voltage=N/A, Design Item ID=FF-0048, Size=N/A, Supplier=N/A, Supplier Link=https://www.thegioiic.com/evm3e-102-bien-tro-1-kohm-nut-ao-smd-0-15w, TH/SMD=SMD, Type="VARIABLE RESISTOR"
X1000: library part FF-3005, "LCD 2.8inch 240x320 HMI ILI9341", Power Rate=N/A, Design Item ID=FF-3005, Size=N/A, Supplier=THEGIOIIC, Supplier Link=https://www.thegioiic.com/lcd-2-8inch-240x320-hmi-ili9341-cam-ung-dien-tro-giao-tiep-spi, Supplier Part Number="LCD 2.8inch 240x320 HMI ILI9341", TH/SMD=TH, Tolerance=N/A, Type=LCD, Voltage=N/A
X1001: library part FF-3006, "KF141-2.54-4-R Terminal Block 4", Power Rate=N/A, Voltage=150V, Design Item ID=FF-3006, Size=2.54mm, Supplier=THEGIOIIC, Supplier Link=https://www.thegioiic.com/kf141-2-54-4-r-terminal-block-4-tiep-diem-cam-day-ngang-2-54mm-150v-2a, Supplier Part Number=KF141-2.54-4-R, TH/SMD=TH, Tolerance=N/A, Type=CONNECTOR
X1002: library part FF-3004, "Terminal Block 20", Power Rate=N/A, Voltage=250V, Design Item ID=FF-3004, Size=5.08mm, Supplier=THEGIOIIC, Supplier Link="https://www.thegioiic.com/kf142-5-08-12-r-terminal-block-12-tiep-diem-cam-day-ngang-5-08mm-250v-10a / https://www.thegioiic.com/kf142-5-08-8-r-terminal-block-8-tiep-diem-cam-day-ngang-5-08mm-250v-10a", Supplier Part Number=KF142-5.08-20-R, TH/SMD=TH, Tolerance=N/A, Type=CONNECTOR
X2000: library part FF-4020, "CRYSTAL 12MHz 2PIN SMD 5 x 3.2mm, ±20ppm 12pF", Power Rate=N/A, Supplier Part Number="Thạch Anh 12MHz 5032 2 Chân SMD", Design Item ID=FF-4020, Size=5032, Supplier=THEGIOIIC, Supplier Link=https://www.thegioiic.com/thach-anh-12mhz-5032-2-chan-smd, TH/SMD=SMD, Tolerance=N/A, Type=CRYSTAL, Voltage=N/A
X4000 X4001: library part FF-3008, "Hàng Rào Đực Đôi 1.27mm 60 Chân 2 hàng SMD", Power Rate=N/A, Design Item ID=FF-3008, Size="2 X 1.27mm", Supplier=THEGIOIIC, Supplier Link=https://www.thegioiic.com/hang-rao-duc-doi-1-27mm-60-chan-2-hang-smd, Supplier Part Number="Hàng Rào Đực Đôi 1.27mm 60 Chân 2 hàng SMD", TH/SMD=SMD, Tolerance=N/A, Type=CONNECTOR, Voltage=N/A